# Altium PCB RoBeast_Control_Board_PCB.PcbDoc (part 3 of 3)
Units mm, origin at the board's own origin, x right, y up, seen from the top; angles counter-clockwise.
Board outline 150 x 150 mm, 4 copper layers (SIG, GND1, PWR/SIG/GND2, GND3), stack 0.603 mm thick; 310 components, 148 nets, 806 pads, 385 vias.
Unrouted connection lines stored in the file: 242.
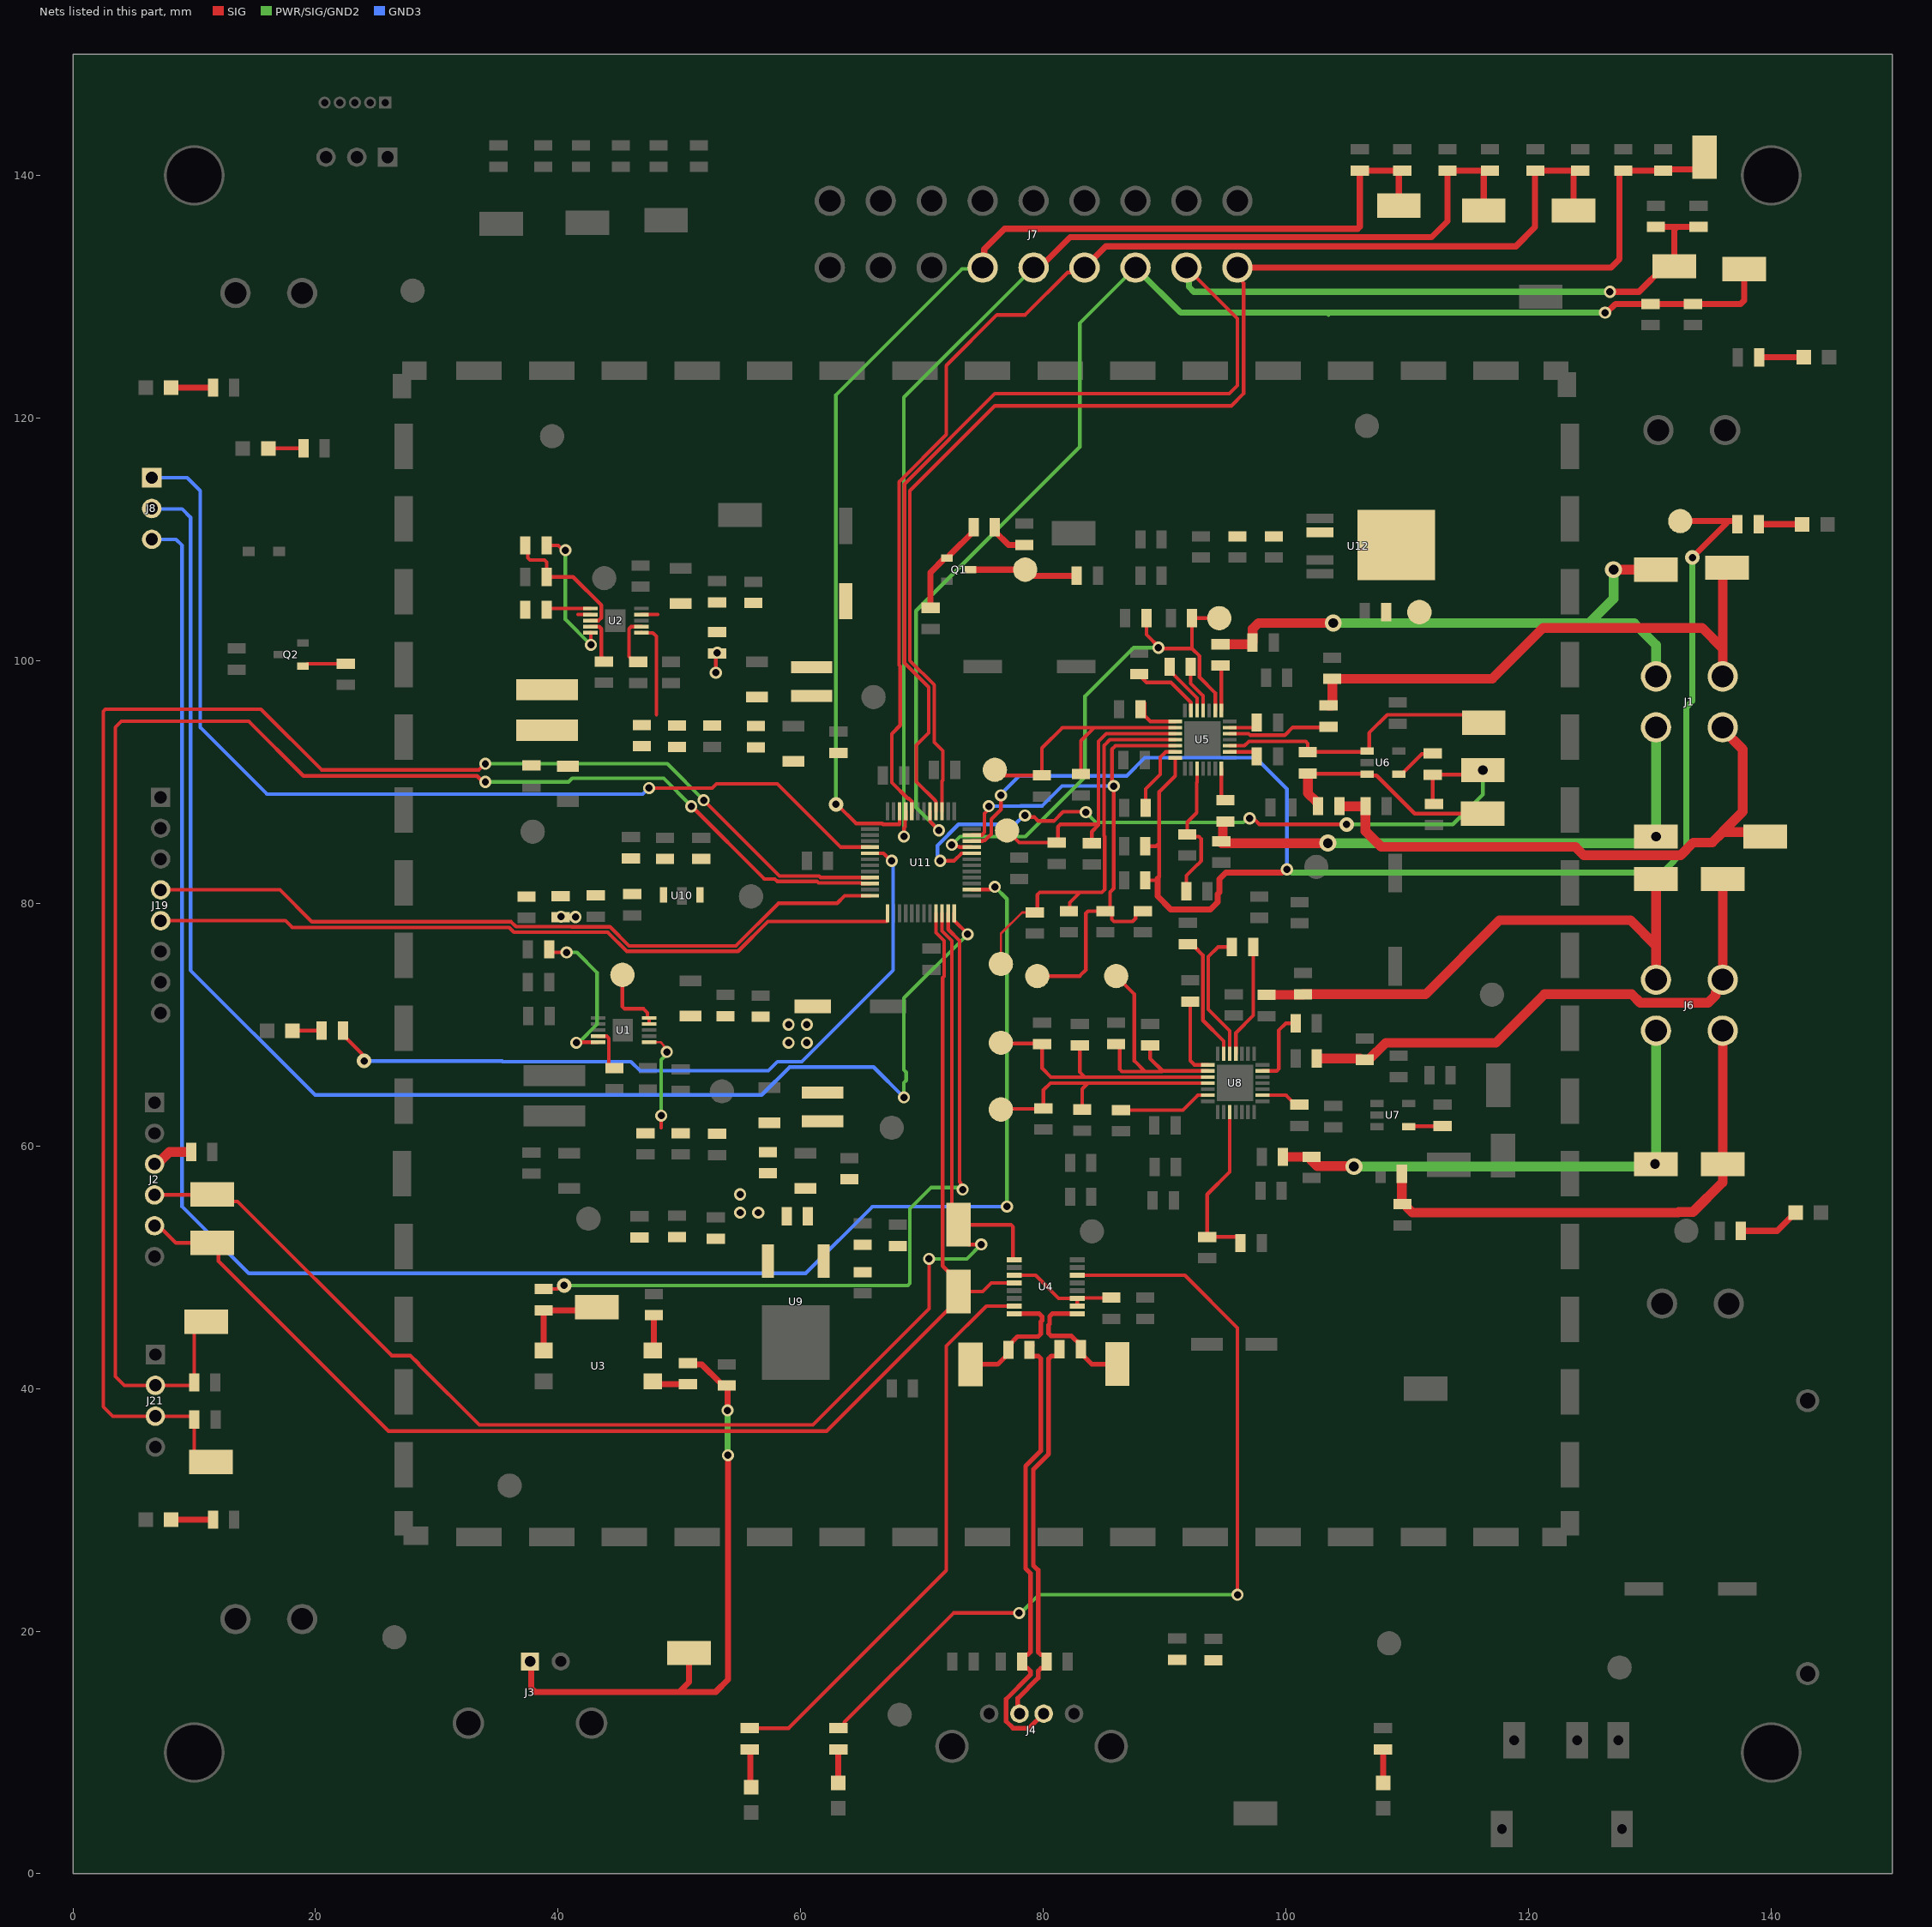
[diagram p5: the nets of this part, all layers, seen from the top]

## Via types
v1: diameter 1, hole 0.6, SIG to GND3, 276 vias
v2: diameter 1.27, hole 0.711, SIG to GND3, 69 vias
v3: diameter 1.2, hole 0.6, SIG to GND3, 29 vias
v4: diameter 1.4, hole 0.8, SIG to GND3, 11 vias

## Nets (pads, with @x,y where several pads share a name; then routed paths per layer and width w, separated by ;. In a path a pad name is that pad's centre, name@x,y a point inside that pad or via, vN(x,y) a via of type N, cw(c..) or ccw(c..) an arc to the next point about the centre after c; other vN are vias at no path point) (continued)
NetC11_1: C11.1 U4.3 U4.10 U4.11 | length 9.5
  SIG w0.3: U4.3@77.6,49.34 79.36,49.34 81.265,47.435 U4.11@82.8,47.435 ; U4.10@82.8,46.8 U4.11@82.8,47.435 ; C11.1@85.6,47.5 85.567,47.468 82.833,47.468 U4.11@82.8,47.435
NetC13_1: C13.1 L3.2 L4.1
NetC14_1: C14.1 L4.2 R13.1
NetC15_2: C15.2 R17.2 R18.1 U1.6 | length 8.4
  SIG w0.2: U1.6@47.494,68.551 48.449,68.551 48.705,68.295 48.705,68.218 48.956,67.967 v1(48.956,67.751)
  SIG w0.3: 48.5,61.5 v1(48.5,62.5)
  PWR/SIG/GND2 w0.3: v1(48.5,62.5) 48.5,67.106 48.956,67.561 v1(48.956,67.751)
NetC16_1: C16.1 C51.1 L5.1 R20.2 R25.1
NetC17_1: C17.1 C19.1 L6.1 NP11.1 NP12.1 R70.1 U2.9 | length 1.3
  SIG w0.3: U2.9@46.867,103.798 48.2,103.798 48.2,103.8
NetC18_1: C18.1 U2.1 | length 3.6
  SIG w0.2: C18.1@39.05,104.2 C18.1@39.147,104.298
  SIG w0.3: C18.1@39.147,104.298 U2.1@42.656,104.298
NetC18_2: C18.2 L5.2 U2.2 | length 1
  SIG w0.3: 41.638,103.798 U2.2@42.656,103.798
NetC20_1: C20.1 L6.2 L7.1
NetC21_1: C21.1 R22.2 U2.3 | length 11.6
  SIG w0.3: R22.2@37.325,109.525 R22.2@37.3,109.5 37.5,109.3 37.5,108.476 37.676,108.3 38.874,108.3 39.05,108.124 C21.1@39.05,106.9 41.23,106.9 43.556,104.574 43.556,103.521 43.335,103.3 42.659,103.3 U2.3@42.656,103.298
NetC22_1: C22.1 U2.7 | length 4.3
  SIG w0.3: C22.1@46.6,99.9 46.275,99.9 45.841,100.334 45.841,102.622 46.016,102.798 U2.7@46.867,102.798
NetC23_1: C23.1 L7.2 R21.1
NetC27_2: C27.2 U8.6 | length 11.2
  SIG w0.15: C27.2@91.316,76.279 91.666,76.629 C27.2@91.914,76.629
  SIG w0.3: C27.2@91.87,76.5 92.368,76.5 93.15,75.718 93.15,70.35 94.866,68.634 U8.6@94.866,67.587
NetC28_1: C28.1 U8.5 | length 11.5
  SIG w0.15: U8.5@95.291,68.087 U8.5@95.366,67.587
  SIG w0.3: U8.5@95.366,67.587 95.366,68.087 95.366,69.485 93.6,71.251 93.6,75.6 94.4,76.4 C28.1@95.55,76.4
NetC28_2: C28.2 U8.4 | length 9.9
  SIG w0.15: U8.4@95.791,68.087 U8.4@95.866,67.587
  SIG w0.3: U8.4@95.866,67.587 95.866,69.317 97.3,70.751 C28.2@97.3,76.4
NetC29_1: C29.1 U8.8 | length 6.9
  SIG w0.15: C29.1@92.1,71.9 C29.1@92.425,71.575
  SIG w0.3: C29.1@92.1,71.9 92.1,67.026 92.449,66.677 U8.8@93.562,66.677
NetC39_1: C39.1 NP14.1 R66.1 U9.3
NetC40_1: C40.1 NP13.1 R71.2 R78.2 U9.1
NetC41_1: C41.1 NP16.1 R67.1 U10.1
NetC42_1: C42.1 NP15.1 R79.2 R80.2 U10.3
NetC51_2: C51.2 R25.2 R26.1 U2.6 | length 7.9
  SIG w0.2: C51.2@49.7,94.75 C51.2@49.8,94.65
  SIG w0.3: U2.6@46.867,102.298 46.87,102.295 47.805,102.295 48.1,102 48.1,95.55
NetC59_2: C59.2 U5.6 | length 6.2
  SIG w0.15: C59.2@87.8,98.8 87.85,98.85 C59.2@87.9,98.9 ; U5.6@92.091,95.968 U5.6@92.166,95.893
  SIG w0.3: C59.2@87.85,98.85 88.5,98.2 90.508,98.2 92.166,96.542 U5.6@92.166,95.893
NetC60_1: C60.1 U5.5 | length 4.6
  SIG w0.15: C60.1@90.35,99.55 C60.1@90.4,99.5
  SIG w0.3: C60.1@90.4,99.5 90.4,99.175 92.666,96.909 U5.5@92.666,95.893
NetC60_2: C60.2 U5.4 | length 4
  SIG w0.3: C60.2@92.15,99.5 92.15,98.117 93.166,97.101 U5.4@93.166,95.893
NetC62_1: C62.1 R88.1 U12.2 | length 0.3
  SIG w0.5: C62.1@99,110.25 C62.1@99.325,110.25
NetC63_1: C63.1 U5.8 | length 3.8
  SIG w0.3: C63.1@88.35,96.5 88.35,95.45 88.818,94.982 U5.8@90.862,94.982
NetJ1_1: J1.1 NP1.2 R27.2 TP8.1 | length 48.7
  SIG w0.8: R27.2@104.4,88 NP1.2@106.55,88 106.55,85.95 107.85,84.65 123.855,84.65 124.555,83.95 132.528,83.95 133.578,85 135.131,85 136,85.869 139.131,85.869 TP8.1@139.5,85.5 ; 136,85.905 137.65,87.555 137.65,92.685 136,94.335 J1.1@136,94.336
NetJ1_2: J1.2 NP2.2 R95.2 TP9.1 | length 47.1
  SIG w0.8: NP2.2@94.674,85.109 94.773,85.109 94.798,85.134 94.798,86.725 94.823,86.75 R95.2@95,86.75 ; NP2.2@94.705,84.955 103.453,84.955 v4(103.457,84.959)
  PWR/SIG/GND2 w0.8: v4(103.457,84.959) 129.797,84.959 130.338,85.5 v4(130.5,85.5) J1.2@130.5,94.624
NetJ1_3: J1.3 NP3.2 R96.2 TP11.1 | length 46.2
  SIG w0.8: R96.2@103.5,96.3 103.789,96.3 103.814,96.325 NP3.2@103.814,98.5 117,98.5 121.2,102.7 134.3,102.7 136,101 ; J1.3@136,98.7 136,101 ; TP11.1@136.369,107.661 136,107.292 136,101
NetJ1_4: J1.4 NP4.2 R97.2 TP10.1 | length 49.4
  SIG w0.8: R97.2@94.6,101.35 97.208,101.35 97.233,101.375 NP4.2@97.233,101.485 97.258,101.51 97.258,102.631 97.727,103.1 v4(103.9,103.1) ; v4(127,107.5) TP10.1@130.5,107.5
  PWR/SIG/GND2 w0.8: v4(103.9,103.1) 125,103.1 ; v4(127,107.5) 127,105.1 125,103.1 ; J1.4@130.5,98.7 130.5,101.3 128.7,103.1 125,103.1
NetJ2_3: J2.3 R6.2 | length 3.4
  SIG w0.8: J2.3@6.729,58.5 6.945,58.5 7.945,59.5 R6.2@9.75,59.5
NetJ3_1: J3.1 NP17.2 R46.2 TP2.1 | length 50.8
  SIG w0.5: J3.1@37.68,17.5 37.793,17.387 37.793,15.293 38.086,15 50,15 ; R46.2@50.7,42.1 50.805,41.995 51.83,41.995 53.4,40.425 53.575,40.25 NP17.2@53.9,40.25 53.958,40.192 v1(53.958,38.196) ; TP2.1@50.8,18.2 50.8,15.8 50,15 ; v1(54,34.5) 54.006,34.494 54.006,16.006 53,15 50,15
  PWR/SIG/GND2 w0.5: v1(53.958,38.196) 53.979,38.175 53.979,34.521 v1(54,34.5)
NetJ6_1: J6.1 NP5.2 R98.2 TP12.1 | length 42.9
  SIG w0.8: R98.2@109.55,57.7 109.55,55.284 109.55,55.225 109.575,55.2 109.925,55.2 109.95,55.175 109.95,54.969 110.419,54.5 132.308,54.5 132.358,54.55 133.55,54.55 136,57 136,59 136,60 J6.1@136,69.5 J6.1@136,69.507
NetJ6_2: J6.2 NP6.2 R99.2 TP13.1 | length 41.8
  SIG w0.8: R99.2@99.75,59.1 NP6.2@101.8,59.1 ; NP6.2@102.1,59.1 102.1,58.794 102.569,58.325 105.575,58.325 v4(105.6,58.3)
  PWR/SIG/GND2 w0.8: v4(105.6,58.3) 130.046,58.3 130.258,58.512 v4(130.42,58.512) ; v4@130.5,58.5 J6.2@130.5,69.344
NetJ6_3: J6.3 NP7.2 R100.2 TP14.1 | length 45.2
  SIG w0.8: R100.2@102.55,67.2 106.075,67.2 106.175,67.1 106.825,67.1 106.85,67.125 106.85,67.131 108.219,68.5 117.3,68.5 121.3,72.5 128.5,72.5 129.2,71.8 134.8,71.8 135.418,72.418 135.418,72.658 J6.3@136.083,73.323 ; J6.3@136,73.7 TP14.1@136,82
NetJ6_4: J6.4 NP8.2 R101.2 TP15.1 | length 44.1
  SIG w0.8: R101.2@98.4,72.45 NP8.2@101.4,72.45 ; NP8.2@101.4,72.5 111.5,72.5 117.6,78.6 128.4,78.6 130.5,76.5 ; J6.4@130.5,73.446 J6.4@130.5,73.7 130.5,76.5 ; TP15.1@130.5,82 130.5,76.5
NetL1_1: L1.1 R8.2 | length 0
  SIG w0.6: L1.1@91,17.606 L1.1@91.031,17.638
NetLED1_1: LED1.1 R4.2 | length 3.5
  SIG w0.5: LED1.1@8.1,29.2 R4.2@11.55,29.2
NetLED2_1: LED2.1 R5.2 | length 2.7
  SIG w0.5: LED2.1@108,7.5 R5.2@108,10.25
NetLED3_1: LED3.1 R7.2 | length 3.6
  SIG w0.5: R7.2@138.963,111.245 LED3.1@142.547,111.245
NetLED4_1: LED4.1 R9.2 | length 5.1
  SIG w0.5: R9.2@137.5,53 140.5,53 LED4.1@142,54.5
NetLED5_1: LED5.1 R57.2 | length 3.7
  SIG w0.5: R57.2@139.148,125 LED5.1@142.817,125
NetLED6_1: LED6.1 R11.2 | length 3.1
  SIG w0.5: LED6.1@55.847,7.202 R11.2@55.847,10.202
  SIG w0.6: LED6.1@55.85,7.55 LED6.1@55.9,7.5
NetLED7_1: LED7.1 R12.2 | length 2.7
  SIG w0.5: LED7.1@63.1,7.5 R12.2@63.1,10.25
NetLED8_1: LED8.1 R58.2 | length 3.5
  SIG w0.5: LED8.1@8.1,122.5 R58.2@11.55,122.5
NetLED9_1: LED9.1 R107.2 | length 2.9
  SIG w0.3: LED9.1@16.1,117.5 R107.2@19,117.5
NetLED10_1: LED10.1 R108.2 | length 2.4
  SIG w0.3: LED10.1@18.1,69.5 R108.2@20.5,69.5
NetQ1_1: Q1.1 R93.2 R94.1 | length 7.9
  SIG w0.5: R94.1@70.701,104.354 70.701,107.276 71.875,108.45 Q1.1@72.05,108.45 ; Q1.1@72.275,108.7 74.25,110.675 R93.2@74.25,111
NetQ1_3: Q1.3 R92.2 TP58.1 | length 8.8
  SIG w0.5: Q1.3@74,107.5 TP58.1@78.5,107.5 ; TP58.1@78.5,107 R92.2@82.75,107
NetQ2_1: Q2.1 R106.2 | length 3.6
  SIG w0.3: Q2.1@18.95,99.55 19.125,99.55 19.325,99.75 R106.2@22.5,99.75
NetR2_2: R2.2 TP1.1 U3.1 | length 7.8
  SIG w0.5: U3.1@38.8,43.14 R2.2@38.8,46.45 42.95,46.45 TP1.1@43.2,46.7
NetR3_2: R3.2 R93.1 | length 3.2
  SIG w0.2: R93.1@76,110.675 R93.1@76,111
  SIG w0.5: R93.1@76,110.675 77.134,109.541 R3.2@78.426,109.541
NetR14_1: R14.1 U1.5 | length 13.2
  SIG w0.3: R14.1@39.25,76.2 39.501,75.949 v1(40.694,75.949) ; v1(41.5,68.5) 41.548,68.548 43.28,68.548 U1.5@43.283,68.551
  PWR/SIG/GND2 w0.3: v1(40.694,75.949) 41.551,75.949 43.2,74.3 43.2,70.011 41.689,68.5 v1(41.5,68.5)
NetR15_1: R15.1 U1.4 | length 4.2
  SIG w0.15: R15.1@44.648,66.419 R15.1@44.948,66.719
  SIG w0.3: U1.4@43.283,69.051 43.286,69.048 44.012,69.048 44.187,68.873 44.187,66.694 44.462,66.419 R15.1@44.648,66.419
NetR22_1: R22.1 U2.5 | length 11.5
  SIG w0.15: U2.5@42.579,102.22 U2.5@42.656,102.298
  SIG w0.3: R22.1@39.05,109.5 40.011,109.5 40.411,109.1 v1(40.6,109.1) ; U2.5@42.656,102.298 42.697,102.298 42.7,102.295 v1(42.7,101.3)
  PWR/SIG/GND2 w0.3: v1(40.6,109.1) 40.6,103.4 v1(42.7,101.3)
NetR24_1: R24.1 U2.4 | length 4.5
  SIG w0.15: R24.1@43.43,99.92 43.78,100.27 R24.1@43.605,100.095
  SIG w0.3: U2.4@42.656,102.798 42.659,102.795 43.385,102.795 43.56,102.619 43.56,100.14 43.605,100.095 43.741,99.959 R24.1@43.78,99.92
NetR28_1: R28.1 U5.27 | length 2.4
  SIG w0.3: U5.27@95.362,94.482 97.325,94.482 97.6,94.757 R28.1@97.6,94.851
NetR31_1: R31.1 U5.23 | length 2.5
  SIG w0.3: U5.23@95.362,92.482 97.325,92.482 97.6,92.207 R31.1@97.6,92.1
NetR34_2: R34.2 R38.1 TP41.1 U5.11 | length 33.2
  SIG w0.2: TP41.1@76.5,75 76.5,77.5 78.25,79.25 R38.1@79.3,79.25
  SIG w0.3: R38.1@79.3,79.25 79.5,79.45 79.5,80.7 79.7,80.9 83.023,80.9 ; R34.2@82.1,79.35 82.172,79.422 82.172,80.049 83.023,80.9 ; U5.11@90.862,93.482 85.482,93.482 85,93 85,85.549 85.05,85.499 85.05,81.126 84.824,80.9 83.023,80.9
NetR35_1: R35.1 U5.13 | length 6.1
  SIG w0.3: R35.1@88.424,87.864 88.424,89.424 89.628,90.628 89.628,92.028 90.082,92.482 U5.13@90.862,92.482
NetR36_1: R36.1 U8.27 | length 6.2
  SIG w0.3: U8.27@98.062,66.177 99.224,66.177 99.4,66.352 99.4,69.513 99.987,70.1 R36.1@100.8,70.1
NetR37_1: R37.1 U8.23 | length 3.4
  SIG w0.3: U8.23@98.062,64.177 99.998,64.177 100.775,63.4 R37.1@101.1,63.4
NetR39_2: R39.2 R41.1 TP39.1 U5.9 | length 21.6
  SIG w0.3: TP39.1@76.5,90.5 76.525,90.525 79.848,90.525 R41.1@79.873,90.551 79.873,92.793 81.563,94.482 84.182,94.482 ; R39.2@83.1,90.65 83.1,93.4 84.182,94.482 ; U5.9@90.862,94.482 84.182,94.482
NetR40_1: R40.1 U8.13 | length 7.7
  SIG w0.3: R40.1@86.4,62.95 91.504,62.95 92.731,64.177 U8.13@93.562,64.177
NetR42_2: R42.2 R43.1 TP40.1 U5.10 | length 24.5
  SIG w0.3: TP40.1@77,86 78,85 R42.2@81.1,85 81.2,85.1 81.2,86.3 81.4,86.5 84.55,86.5 ; R43.1@84,84.95 84,85.9 84.55,86.45 84.55,93.35 85.182,93.982 U5.10@90.862,93.982
NetR46_1: R46.1 U3.3 | length 3
  SIG w0.3: U3.3@47.8,40.6 U3.3@48.05,40.35
  SIG w0.5: U3.3@48.05,40.35 R46.1@50.7,40.35
NetR48_1: R48.1 R49.2 U5.17 | length 11.9
  SIG w0.3: R48.1@91.783,80.996 91.783,82.283 92.706,83.206 92.738,83.206 92.914,83.382 92.914,83.414 93,83.5 93,85.324 92.824,85.5 92.045,85.5 R49.2@91.864,85.681 91.864,86.686 92.639,87.461 92.639,89.958 92.666,89.985 U5.17@92.666,91.093
NetR50_1: R50.1 R56.2 U8.17 | length 14.1
  SIG w0.3: U8.17@95.366,62.787 95.366,57.866 93.5,56 R50.1@93.5,52.5 93.825,52.5 95.975,52.5 96.25,52.225 R56.2@96.25,52
NetR68_2: R68.2 R69.1 TP46.1 U8.11 | length 21.5
  SIG w0.15: R68.2@83.2,63 R68.2@83.4,63.2
  SIG w0.3: TP46.1@76.5,63 76.55,63.05 79.95,63.05 R69.1@80,63.1 80,64.6 80.577,65.177 83.677,65.177 ; R68.2@83.2,63 83.2,64.7 83.677,65.177 ; U8.11@93.562,65.177 83.677,65.177
NetR74_2: R74.2 R75.1 TP44.1 U8.9 | length 21
  SIG w0.3: R75.1@86,68.4 86.025,68.4 86.3,68.125 86.3,66.302 86.476,66.127 88.373,66.127 ; TP44.1@86,74 87.5,72.5 87.5,67 88.373,66.127 ; R74.2@88.8,68.3 88.8,67.2 89.823,66.177 ; U8.9@93.562,66.177 89.823,66.177 ; 88.373,66.127 89.773,66.127 89.823,66.177
NetR76_2: R76.2 R77.1 TP45.1 U8.10 | length 22.3
  SIG w0.15: U8.10@93.5,65.738 U8.10@93.562,65.677
  SIG w0.3: TP45.1@76.5,68.5 76.55,68.45 79.85,68.45 R77.1@79.9,68.4 79.9,66.4 80.623,65.677 83.423,65.677 ; R76.2@83,68.3 83,66.1 83.423,65.677 ; U8.10@93.562,65.677 83.423,65.677
NetR81_1: R81.1 U3.4 | length 3
  SIG w0.3: U3.4@47.8,43.14 U3.4@47.9,43.24
  SIG w0.5: U3.4@47.9,43.24 R81.1@47.9,46.05
NetR83_1: R83.1 U6.4 | length 3.5
  SIG w0.3: U6.4@109.3,90.65 109.55,90.65 111.2,92.3 112.05,92.3 R83.1@112.1,92.35
NetR85_1: R85.1 U7.4 | length 2.8
  SIG w0.3: U7.4@110.1,61.6 110.125,61.625 112.875,61.625 R85.1@112.9,61.65
NetR87_1: R87.1 TP55.1 U12.6
PGC: J19.5 U11.37 | length 62.6
  SIG w0.3: J19.5@7.237,78.566 17.52,78.566 18.086,78 35.964,78 36.349,77.616 44.084,77.616 45.662,76.038 54.838,76.038 57.3,78.5 67.076,78.5 67.15,78.574 U11.37@67.15,79.174
PGD: J19.4 U11.36 | length 62.1
  SIG w0.3: J19.4@7.237,81.106 17.075,81.106 19.708,78.473 36.128,78.473 36.526,78.075 41.09,78.075 41.099,78.066 44.27,78.066 45.848,76.488 54.651,76.488 58.164,80 63,80 63.624,80.624 U11.36@65.7,80.624
r_CURRENT: C56.1 R83.2 TP51.1 U11.8 | length 61.2
  SIG w0.3: v1(71.5,83.5) 72.633,83.5 73.257,84.124 U11.8@74.1,84.124 ; v1(78.482,87.231) 78.616,87.097 79.266,87.097 79.582,86.781 80.871,86.781 81.63,87.541 83.459,87.541 v1(83.5,87.5) ; v1(97,87) 97.134,86.866 97.432,86.866 97.798,86.5 v3(105,86.5) ; C56.1@112.2,88.2 112.1,88.3 R83.2@112.1,90.6 115.849,90.6 v4(116.227,90.978)
  PWR/SIG/GND2 w0.3: v1(83.5,87.5) 84.331,86.669 96.479,86.669 96.811,87 v1(97,87) ; v3(105,86.5) 113.759,86.5 116.227,88.968 v4(116.227,90.978)
  GND3 w0.3: v1(71.5,83.5) 71.5,83.689 71.268,83.921 71.268,84.763 73.005,86.5 77.658,86.5 78.389,87.231 v1(78.482,87.231)
R_LED: R108.1 U11.29 | length 61.5
  SIG w0.3: R108.1@22.25,69.5 22.25,69.175 23.828,67.597 23.828,67.172 v3(24,67) ; U11.29@65.7,84.124 66.816,84.124 67.44,83.5 v1(67.5,83.5)
  GND3 w0.3: v3@24.232,67 35.373,67 35.423,66.95 46.002,66.95 46.752,66.2 57.331,66.2 58.081,66.95 60.081,66.95 67.612,74.481 67.612,83.388 v1(67.5,83.5)
rENBL: R29.1 R30.2 TP37.1 U5.2 U11.9 | length 45.6
  SIG w0.3: v1(72.454,84.818) 72.588,84.684 73.014,84.684 73.074,84.624 U11.9@74.1,84.624 ; R30.2@88.5,103.5 88.5,102.15 89.651,100.999 92.25,100.999 ; U5.2@94.166,95.893 94.166,97.335 92.875,98.626 92.875,100.374 92.25,100.999 ; TP37.1@94.5,103.5 R29.1@92.25,103.5 92.25,100.999
  PWR/SIG/GND2 w0.3: v1(72.454,84.818) 73.136,85.5 78.519,85.5 83.435,90.416 83.435,97.066 87.435,101.067 v1(89.489,101.067)
rRES: R91.1 R102.1 TP57.1 U5.12 U11.11 | length 48.1
  SIG w0.3: U11.11@74.1,85.624 74.924,85.624 75.15,85.85 75.15,87.406 75.5,87.756 v1(75.5,88) ; TP57.1@79.5,74 83,74 83.5,74.5 83.5,79.174 83.676,79.35 R91.1@85.1,79.35 85.362,79.35 85.637,79.075 85.637,78.676 85.813,78.5 87.35,78.5 87.6,78.75 87.6,79.075 87.875,79.35 R102.1@88.2,79.35 ; R91.1@85.249,79.35 85.5,79.601 85.5,80.914 85.8,81.214 v1(85.8,89.66) ; v1@85.65,89.66 85.65,92.686 85.947,92.982 U5.12@90.862,92.982
  GND3 w0.3: v1(75.5,88) 78.119,88 78.151,88.031 79.918,88.031 81.547,89.66 v1(85.8,89.66)
rSLP: R7.1 R32.1 R33.1 TP38.1 U5.14 U11.10 | length 132.8
  SIG w0.3: U11.10@74.1,85.124 74.983,85.124 75.033,85.174 75.174,85.174 75.7,85.7 75.7,86.927 76.5,87.727 v1(76.5,88.9) ; R33.1@88.4,81.9 89.3,81.9 89.425,82.025 89.55,82.15 89.55,84.95 ; R32.1@88.4,84.7 89.3,84.7 89.55,84.95 ; U5.14@90.862,91.982 90.862,90.5 89.55,89.188 89.55,84.95
  SIG w0.5: 89.425,82.025 89.425,80.575 90.5,79.5 93.778,79.5 94.358,80.081 94.358,80.773 94.5,80.914 94.5,82 95.034,82.534 99.677,82.534 99.939,82.796 v1(100.074,82.796) ; TP38.1@132.5,111.5 137.213,111.5 R7.1@137.213,111.245 ; v3(133.5,108.5) 136.325,111.325
  PWR/SIG/GND2 w0.5: v1(100.074,82.796) 100.21,82.796 100.471,82.535 131.035,82.535 133,84.5 133,96.155 133.5,96.655 v3(133.5,108.5)
  GND3 w0.3: v1(76.5,88.9) 76.5,89 78,90.5 86.869,90.5 88.369,92 97.5,92 100.074,89.426 v1(100.074,82.796)
rSTEPPER_1A: R27.1 R82.2 TP50.1 U6.3 | length 18.9
  SIG w0.3: R82.2@101.8,90.7 101.825,90.675 106.675,90.675 106.818,90.532 107.468,90.532 110.609,87.391 TP50.1@116.216,87.391
  SIG w0.8: R82.2@101.8,90.7 101.8,89.075 102.525,88.35 102.625,88.35 102.65,88.325 R27.1@102.65,88
rSTEPPER_1A_CURRENT_SENSE: R82.1 TP49.1 U5.24 U6.1 | length 24.2
  SIG w0.3: U5.24@95.362,92.982 96.582,92.982 96.95,93.35 101.624,93.35 101.8,93.174 R82.1@101.8,92.45 101.825,92.475 106.675,92.475 U6.1@106.7,92.5 ; U6.1@106.7,92.55 106.706,92.55 106.856,92.7 106.856,94.039 108.348,95.531 115.656,95.531 TP49.1@116.298,94.889
rSTEPPER_1B: R95.1 U5.21 | length 2.4
  SIG w0.15: U5.21@94.591,91.018 U5.21@94.666,91.093
  SIG w0.3: U5.21@94.666,91.093 94.666,88.834 R95.1@94.7,88.8
rSTEPPER_2A: R96.1 U5.26 | length 8.6
  SIG w0.3: U5.26@95.362,93.982 96.918,93.982 97.051,93.85 99.899,93.85 100.549,94.5 R96.1@103.6,94.5
  SIG w0.6: R96.1@103.6,94.5 R96.1@103.601,94.501
rSTEPPER_2B: R97.1 U5.1 | length 4.2
  SIG w0.15: R97.1@94.132,99.6 R97.1@94.6,99.6
  SIG w0.3: U5.1@94.666,95.893 R97.1@94.666,99.578
RX_LED: R12.1 U4.14 | length 74.8
  SIG w0.3: R12.1@63.1,12 63.425,12 63.6,12.175 63.6,12.5 72.6,21.5 v1(78,21.5) ; U4.14@82.808,49.332 91.668,49.332 96,45 v1@96,22.787
  PWR/SIG/GND2 w0.3: v1(78,21.5) 78.131,21.5 79.631,23 v1@95.949,23
  other v1: 96,23
SCL: J21.2 R105.2 TP47.1 U11.34 | length 134.1
  SIG w0.3: TP47.1@11,45.5 10.85,45.5 10,44.65 R105.2@10,40.5 9.76,40.26 J21.2@6.8,40.26 4.24,40.26 3.5,41 3.5,94.5 4,95 14.5,95 19,90.5 33.311,90.5 33.811,90 v1(34,90) ; v1(50.971,87.986) 51.014,87.986 57,82 57.864,82 58.064,81.8 61.331,81.8 61.457,81.674 64.962,81.674 65.012,81.624 U11.34@65.7,81.624
  PWR/SIG/GND2 w0.3: v1(34,90) 40.86,90 41.16,90.3 48.7,90.3 50.971,88.029 v1(50.971,87.986)
SDA: J21.3 R59.2 TP48.1 U11.33 | length 139.1
  SIG w0.3: TP48.1@11.393,33.943 10.858,33.943 10.008,34.793 R59.2@10.008,37.446 9.733,37.72 J21.3@6.8,37.72 3.28,37.72 2.5,38.5 2.5,95.824 2.676,96 15.5,96 20.5,91 33.474,91 33.974,91.5 v1(34,91.5) ; v1(52,88.5) 58.25,82.25 61.518,82.25 61.643,82.124 U11.33@65.7,82.124
  PWR/SIG/GND2 w0.3: v1(34,91.5) 49,91.5 v1(52,88.5)
SPARE_1: J8.1 U11.28 | length 83.9
  SIG w0.3: v1(47.5,89.5) 52.704,89.5 53.054,89.85 58.069,89.85 63.294,84.624 U11.28@65.7,84.624
  GND3 w0.3: J8.1@6.5,115.08 9.42,115.08 10.5,114 10.5,94.5 16,89 46.974,89 47.474,89.5 v1(47.5,89.5)
SPARE_2: J8.2 U11.48 | length 124.1
  SIG w0.3: U11.48@72.65,79.174 72.65,78.574 73.751,77.473 v1(73.751,77.44)
  PWR/SIG/GND2 w0.3: v1(68.5,64) 68.5,65.209 68.695,65.405 68.695,66.067 68.5,66.263 68.5,72.189 v1(73.751,77.44)
  GND3 w0.3: J8.2@6.193,112.5 9,112.5 9.693,111.807 9.693,74.479 19.972,64.2 56.783,64.2 59.083,66.5 66,66.5 v1(68.5,64)
SPARE_3: J8.3 U11.2 | length 158.5
  SIG w0.3: U11.2@74.1,81.124 75.585,81.124 75.811,81.35 v1(76,81.35)
  PWR/SIG/GND2 w0.3: v1(76,81.35) 77,80.35 v1(77,55)
  GND3 w0.3: J8.3@6.5,110 8.5,110 9,109.5 9,55 14.5,49.5 60.405,49.5 65.905,55 v1(77,55)
SW_IN_FILTER: C5.1 C12.1 L3.1 NP9.1 NP10.1 R70.2 R71.1 R79.1 TP33.1 U1.9 U1.10 | length 8.8
  SIG w0.3: R79.1@40.2,78.85 R79.1@40.282,78.932 ; TP33.1@45.3,74.1 45.3,71.476 45.476,71.3 47.045,71.3 47.367,70.978 U1.10@47.367,70.553 ; U1.9@47.494,70.051 U1.10@47.494,70.551 ; v1(53,99) 53,100.5 R70.2@53.1,100.6
  SIG w0.5: R79.1@40.282,78.932 40.357,78.858 41.423,78.858 v1(41.431,78.866)
  other v1: 55,54.5 56.5,54.5 55,56 59,68.5 60.5,68.5 59,70 60.5,70 40.241,78.891 53.111,100.648
TILT_1: C32.1 J7.1 R53.1 TP17.1 U11.15 | length 115
  SIG w0.3: U11.15@71.65,87.574 71.65,90.067 71.708,90.126 71.708,92.573 71,93.281 71,98 69,100 69,114 76,121 95.5,121 96.5,122 96.5,131.124 96.415,131.209 96.415,131.979 J7.1@95.994,132.4
  SIG w0.5: J7.1@95.994,132.4 126.8,132.4 127.5,133.1 127.5,140.225 127.675,140.4 C32.1@127.8,140.4 R53.1@131.1,140.4 131.2,140.5 TP17.1@134.5,140.5
TILT_2: C33.1 J7.2 R54.1 TP18.1 U11.16 | length 120.9
  SIG w0.3: U11.16@71.15,87.574 71.15,88.382 71.1,88.432 71.1,88.449 69.522,90.026 69.522,93.022 70.55,94.05 70.55,97.814 68.55,99.814 68.55,114.55 76,122 95.324,122 96,122.676 96,128.194 J7.2@91.794,132.4 ; v1(126.7,130.4) v1@126.8,130.5 ; TP18.1@131.2,132.5 TP18.1@132,132.5
  SIG w0.5: v1(126.7,130.4) 129.1,130.4 TP18.1@131.2,132.5 ; C33.1@130.5,135.75 132.25,135.75 ; TP18.1@132,132.5 132,135.5 132.25,135.75 ; R54.1@134,135.75 132.25,135.75
  PWR/SIG/GND2 w0.3: J7.2@91.794,132.4 J7.2@92,132.194
  PWR/SIG/GND2 w0.5: J7.2@92,132.194 92,130.8 92.4,130.4 v1(126.7,130.4)
TILT_3: C34.1 J7.3 R55.1 TP19.1 U11.17 | length 111.5
  SIG w0.3: U11.17@70.65,87.574 70.65,86.75 v1(71.387,86.013) ; R55.1@129.946,129.299 R55.1@130.045,129.398
  SIG w0.5: v1(126.301,128.68) 126.436,128.68 127.154,129.398 129.847,129.398 R55.1@129.946,129.299 ; R55.1@130.045,129.398 C34.1@133.545,129.398 137.473,129.398 137.766,129.691 TP19.1@137.766,132.273
  PWR/SIG/GND2 w0.3: v1(71.387,86.013) 69.5,87.9 69.5,104.105 83,117.605 83,127.806 J7.3@87.594,132.4 J7.3@87.797,132.197 ; 103.5,128.5 103.5,128.68
  PWR/SIG/GND2 w0.5: J7.3@87.797,132.197 91.314,128.68 103.5,128.68 v1(126.301,128.68)
TILT_4: C35.1 J7.4 R60.1 TP21.1 U11.20 | length 104.5
  SIG w0.3: U11.20@69.15,87.574 69.15,88.399 68.924,88.624 68.831,88.624 67.5,89.956 67.5,93.966 68.2,94.666 68.2,99.527 68.1,99.627 68.1,114.736 72,118.636 72,124.322 76.178,128.5 78.5,128.5 81.995,131.995 82.989,131.995 J7.4@83.394,132.4
  SIG w0.5: J7.4@83.394,132.4 85.144,134.15 118.95,134.15 120.535,135.735 C35.1@120.535,140.212 ; C35.1@120.558,140.4 R60.1@123.933,140.4 ; TP21.1@123.894,136.906 TP21.1@123.7,137.1 123.7,140.167 R60.1@123.933,140.4 ; R60.1@124.258,140.4 R60.1@123.933,140.4
TILT_5: C36.1 J7.5 R61.1 TP22.1 U11.21 | length 100.2
  SIG w0.3: v1(68.5,85.5) 68.515,85.515 68.515,86.229 68.6,86.314 68.6,86.836 68.65,86.886 U11.21@68.65,87.574 ; J7.5@79.194,132.4 J7.5@79.7,132.4
  SIG w0.5: J7.5@79.7,132.4 82.2,134.9 112,134.9 113.314,136.214 C36.1@113.314,140.233 ; C36.1@113.314,140.4 R61.1@116.489,140.4 ; TP22.1@116.394,137.006 TP22.1@116.3,137.1 116.3,140.211 R61.1@116.489,140.4 ; R61.1@116.814,140.4 R61.1@116.489,140.4
  PWR/SIG/GND2 w0.3: v1(68.5,85.5) 68.5,121.706 J7.5@79.194,132.4
TILT_6: C37.1 J7.6 R62.1 TP23.1 U11.22 | length 101.6
  SIG w0.3: v3(62.901,88.152) 62.984,88.152 64.562,86.574 66.711,86.574 66.785,86.5 68.15,86.5 U11.22@68.15,87.574 ; J7.6@74.994,132.4 J7.6@75.124,132.53 ; 105.909,135.6 106.085,135.776
  SIG w0.5: J7.6@75.124,132.53 75.124,133.924 76.8,135.6 105.909,135.6 ; 106.085,135.776 C37.1@106.085,140.233 ; C37.1@106.085,140.4 R62.1@109.475,140.4 ; TP23.1@109.406,137.606 TP23.1@109.3,137.5 109.3,140.225 R62.1@109.475,140.4 ; R62.1@109.585,140.4 R62.1@109.475,140.4
  PWR/SIG/GND2 w0.3: v3(62.901,88.152) 62.901,121.901 73.294,132.294 74.888,132.294 J7.6@74.994,132.4
TX_LED: R11.1 U4.7 | length 47
  SIG w0.3: R11.1@55.901,12 59,12 72,25 72,43.5 75.3,46.8 U4.7@77.6,46.8
uC_RX: J2.4 TP3.1 TP25.1 U4.1 U11.46 | length 121
  SIG w0.3: J2.4@6.729,55.96 11.46,55.96 TP25.1@11.5,56 12.074,55.426 13.574,55.426 26.283,42.717 27.822,42.717 28.5,42.039 28.5,42 33.5,37 61,37 70.575,46.575 v1(70.575,50.687) ; U11.46@71.65,79.174 71.65,77.714 72.45,76.914 72.45,54.05 TP3.1@73,53.5 TP3.1@73.5,53.5 ; v1(74.875,51.875) 73.85,51.875 73.5,52.225 TP3.1@73.5,53.5 ; U4.1@77.6,50.61 77.56,50.61 77.5,50.67 77.5,53.324 77.324,53.5 TP3.1@73.5,53.5
  PWR/SIG/GND2 w0.3: v1(70.575,50.687) 73.687,50.687 v1(74.875,51.875)
uC_TX: J2.5 TP4.1 TP26.1 U4.4 U11.45 | length 116
  SIG w0.3: J2.5@6.729,53.42 7.08,53.42 8.5,52 TP26.1@11.5,52 12,51.5 12,50.5 26.009,36.491 62.141,36.491 73,47.35 TP4.1@73,48 ; U11.45@71.15,79.174 71.15,77.577 71.824,76.903 71.824,73.973 71.7,73.848 71.7,50.1 73,48.8 TP4.1@73,48 ; U4.4@77.6,48.705 75.705,48.705 75,48 TP4.1@73,48
USB_IN_N: C6.2 J4.2 R10.1 | length 32.9
  SIG w0.381: J4.2@78.03,13.2 77.891,13.339 77.891,14.463 79.568,16.139 79.568,16.717 79.791,16.94 80.016,16.94 80.25,17.175 C6.2@80.25,17.5 80.25,17.825 80.016,18.06 79.791,18.06 79.568,18.283 79.568,25.027 79.167,25.427 79.167,33.342 80.436,34.611 80.436,42.457 80.659,42.68 81.099,42.68 81.334,42.914 R10.1@81.334,43.239
USB_IN_P: C7.2 J4.3 R47.1 | length 37.9
  SIG w0.381: R47.1@79.097,43.55 78.862,43.315 R47.1@78.862,43.198 78.862,42.914 79.097,42.68 79.578,42.68 79.801,42.457 79.801,34.874 78.532,33.605 78.532,25.164 78.933,24.764 78.933,18.283 78.709,18.06 78.484,18.06 78.25,17.825 C7.2@78.25,17.5 78.25,17.175 78.484,16.94 78.709,16.94 78.933,16.717 78.933,16.402 76.927,14.397 76.927,12.573 77.5,12 78.83,12 J4.3@80.03,13.2
USB_N: R10.2 TP6.1 U4.9 | length 10.9
  SIG w0.381: U4.9@82.8,46.165 80.741,46.165 80.517,45.942 80.517,45.328 80.424,45.234 80.424,44.553 80.647,44.33 82.318,44.33 83.084,43.564 R10.2@83.084,43.239 83.084,42.914 83.987,42.011 TP6.1@86.098,42.011
USB_P: R47.2 TP5.1 U4.8 | length 11.1
  SIG w0.381: TP5.1@74,42 76.239,42 77.112,42.873 R47.2@77.112,43.198 77.112,43.523 77.878,44.288 79.566,44.288 79.789,44.512 79.789,45.498 79.882,45.591 79.882,45.942 79.659,46.165 U4.8@77.6,46.165
VNA_SIG: R2.1 U11.47 | length 65
  SIG w0.3: R2.1@38.8,48.2 39.956,48.2 40.256,48.5 v3(40.5,48.5) ; U11.47@72.15,79.174 72.15,77.85 73.1,76.9 73.1,57.027 73.178,56.949 73.178,56.573 v1(73.35,56.401)
  PWR/SIG/GND2 w0.3: v3(40.5,48.5) 68.824,48.5 69,48.676 69,54.824 70.75,56.574 72.724,56.574 73.178,56.573 v1(73.35,56.401)
pads on no net: J2.2 J2.6 J5.S1 J5.S2 J18.2 J19.6 J19.7 J19.8 U4.2 U4.6 U4.15 U4.16 U5.7 U5.20 U5.25 U8.7 U8.20 U8.25

## Polygon pours and split planes (outlines as drawn)
3V3 on PWR/SIG/GND2 "3V3" (solid, pour order 216): 2.608,147.517 147.608,147.517 147.608,2.017 2.608,2.017
"AC/DC IN" on PWR/SIG/GND2 "NONET_L-01_P-001" (solid, pour order 215): 129.2,50.2 129.2,50 134.5,50 134.5,44.208 147.605,44.208 147.605,14.4 128.75,14.4 128.75,2.05 112,2.05 112,22 144.5,22 144.5,42 129.091,42
CCT_24V on PWR/SIG/GND2 "CCT_24V_L03_P191" (solid, pour order 191): 35,82.974 35,44 101,44 101,31.385 143.662,31.385 143.662,41 128.5,41 128.5,49 143.5,49 143.5,122.23 134.223,122.23 134.223,52.5 114,52.5 114,97.5 95.5,97.5 95.5,52 80,52 80,101.5 64.306,101.5 64.306,56 64.342,56 64.342,46.5 37.4,46.5 37.4,83.016
5V on PWR/SIG/GND2 "5V_L03_P184" (solid, pour order 184): 68,40.788 68,36.5 30.838,36.5 30.838,84.338 25.5,84.338 25.5,127 17,127 17,133 25.5,133 25.5,142.814 28.162,142.814 28.162,87.5 47.2,87.5 47.2,84.55 32.5,84.55 32.5,40.788
SW_IN_FILTER on PWR/SIG/GND2 "NONET_L-01_P-001" (solid, pour order 179): 61.5,53 54.199,53 54.199,70 52.097,70 52.097,77.95 39,77.95 39,80 52.097,80 52.097,101.5 54.3,101.5 54.3,72.962 61.5,72.962
5V_USB on PWR/SIG/GND2 "NONET_L-01_P-001" (solid, pour order 171): 4.5,61 4.5,57 15.5,57 15.5,24.5 73.04,24.5 73.04,12.099 77,12.099 77,15 100.5,15 100.5,20.15 92.8,20.15 92.8,18.504 77,18.504 77,38 68.5,38 68.5,28 19.5,28 19.5,61
GND on SIG "SIG_GND" (solid, pour order 218): 2.608,147.517 147.608,147.517 147.608,2.017 2.608,2.017
NetC17_1 on SIG "NETC17_1_L01_P115" (solid, pour order 115): 47.758,105.7 47.758,103.6 51.7,103.6 51.7,101.5 54.3,101.5 54.3,103.6 57.8,103.6 57.8,98.7 64.6,98.7 64.6,107 57.104,107 57.104,105.7
CCT_24V on SIG "CCT_24V_L01_P217" (solid, pour order 217): 61.778,95.838 61.841,95.9 64.5,95.9 64.5,99 67.5,99 67.5,92.5 64.733,92.5 64.733,93.6 61.778,93.6
CCT_24V on SIG "CCT_24V_L01_P196" (solid, pour order 196): 78,101 84.5,101 84.5,97.5 78,97.5
DC_BRAKE_SIG on SIG "NONET_L-01_P-001" (solid, pour order 159): 89.062,105.8 88.9,105.8 89,111.102 77.5,111.102 77.5,112.5 104,112.5 104.01,112.49 104.01,111.5 90.65,111.5 90.65,105.8
CCT_24V on SIG "CCT_24V_L01_P205" (solid, pour order 205): 34,83.5 36.5,83.5 36.5,79.65 38.6,79.65 38.6,78 34,78
NetC42_1 on SIG "NETC42_1_L01_P116" (solid, pour order 116): 49,82.5 49,79.8 36.5,79.8 36.5,82.5
3V3 on SIG "NONET_L-01_P-001" (solid, pour order 152): 91.8,107.65 91.8,109.4 97.2,109.4 97.2,107.65
NetC1_2 on SIG "NETC1_2_L01_P120" (solid, pour order 120): 36.7,71.9 36.7,64.2 42.8,64.2 42.8,67.26 38.7,67.26 38.7,71.9
NetR87_1 on SIG "NONET_L-01_P-001" (solid, pour order 158): 107.5,108 112.5,108 112.5,102.5 107.5,102.5
CCT_24V on SIG "CCT_24V_L01_P202" (solid, pour order 202): 62.5,60.2 66,60.2 66,63 69.5,63 69.5,53 66.5,53 66.5,57.997 62.5,57.997 62.5,58
NetC20_1 on SIG "NETC20_1_L01_P113" (solid, pour order 113): 55.1,94 57.5,94 57.5,96 63.1,96 63.1,98 55.1,98 55.1,97.7
SW_IN_FILTER on SIG "SW_IN_FILTER_L01_P198" (solid, pour order 198): 46.9,71.5 46.868,71.468 46.868,69.876 49.5,69.876 49.5,69.5 58,69.5 58,67.5 59.8,67.5 59.8,63.2 64.6,63.2 64.6,72.8 58.2,72.8 58.2,71.5
3V3 on SIG "NONET_L-01_P-001" (solid, pour order 189): 49.5,65.496 49.546,65.45 51.5,65.45 51.5,68.5 55.876,68.5 55.876,62 49.5,62
3V3 on SIG "NONET_L-01_P-001" (solid, pour order 187): 36.5,58.388 36.5,53.073 48.5,53.073 48.5,58 43,58 43,55.5 39,55.5 39,58.388
5V on SIG "5V_L01_P107" (solid, pour order 107): 36.3,90 36.3,84.5 47.2,84.5 47.2,86.9 39.057,86.9 39.1,86.943 39.1,90
"AC/DC IN" on SIG "AC/DC_IN_L01_P197" (solid, pour order 197): 135,24 135,20 139.5,20 139.5,24
CCT_24V on SIG "CCT_24V_L01_P195" (solid, pour order 195): 80.452,97.056 80.452,101.556 84.891,101.556 84.891,97.056 84.952,97.056
CCT_24V on SIG "CCT_24V_L01_P193" (solid, pour order 193): 106.5,77.5 111,77.5 111,73.061 106.5,73.061 106.5,73
NetC18_2 on SIG "NETC18_2_L01_P104" (solid, pour order 104): 36.45,105.4 38.2,105.4 38.2,102.95 38.15,102.9 40.2,102.9 40.2,104 41.8,104 41.8,103.6 41.6,103.6 41.6,96.1 36.504,96.1
NetC16_1 on SIG "NETC16_1_L01_P105" (solid, pour order 105): 36.6,95.1 36.6,91 51.2,91 51.2,93.75 45.9,93.75 45.9,93.3 45.6,93.3 41.9,93.3 41.9,95.1
NetC51_2 on SIG "NETC51_2_L01_P106" (solid, pour order 106): 45.6,95.7 53.9,95.7 53.9,93.9 45.6,93.9
NetC41_1 on SIG "NETC41_1_L01_P117" (solid, pour order 117): 44.8,84.2 53.1,84.2 53.1,79.9 51.3,79.9 51.3,82.75 44.8,82.75 44.8,82.8
NetC23_1 on SIG "NETC23_1_L01_P119" (solid, pour order 119): 55.1,93.4 55.1,92 58.5,92 58.5,91.2 64.3,91.2 64.3,93.367 64.344,93.411
NetC2_1 on SIG "NETC2_1_L01_P123" (solid, pour order 123): 36.5,63.5 36.5,58.4 51.6,58.4 51.6,60 42.6,60 42.6,63.5
NetC15_2 on SIG "NETC15_2_L01_P124" (solid, pour order 124): 46,61.9 46,60.2 54.3,60.2 54.3,61.9
NetC13_1 on SIG "NETC13_1_L01_P130" (solid, pour order 130): 56.1,58.65 58.7,58.65 58.7,60.9 64,60.9 64,62.8 56.1,62.8
NetC14_1 on SIG "NETC14_1_L01_P131" (solid, pour order 131): 56.1,58.2 56.1,55.5 65,55.5 65,57.3 59.1,57.3 59.1,58.2
NetC39_1 on SIG "NETC39_1_L01_P133" (solid, pour order 133): 45.3,50.2 59.4,50.2 59.4,53.2 45.3,53.2
NetC62_1 on SIG "NONET_L-01_P-001" (solid, pour order 151): 94.8,111.15 94.8,109.4 94.9,109.5 104,109.5 104,111.172 104.01,111.182
NetL1_1 on SIG "NONET_L-01_P-001" (solid, pour order 166): 89.831,18.488 89.831,16.738 95.209,16.738 95.209,18.512
5V_USB on SIG "NONET_L-01_P-001" (solid, pour order 173): 92.806,20.986 92.806,18.752 101.487,18.752 101.487,21.015
NetC40_1 on SIG "NONET_L-01_P-001" (solid, pour order 174): 60,48.9 60,55.5 63,55.5 63,52.712 69.5,52.712 69.5,48.9
NetC8_1 on SIG "NONET_L-01_P-001" (solid, pour order 188): 82.19,48.429 91,48.429 91,45 95,45 95,42 91.031,42 91.031,20.238 92.5,20.238 92.5,18.5 90,18.5 90,46.9 87.6,46.9 87.6,47.9 82.19,47.9
SW_IN_FILTER on SIG "NONET_L-01_P-001" (solid, pour order 190): 59.406,53.36 59.406,53.421 54,53.421 54,57 55.985,57 55.985,55.363 59.416,55.363
GND on GND3 "NONET_L-01_P-001" (solid, pour order 58): 2.5,147.5 147.5,147.5 147.5,2 2.5,2
GND on GND1 "NONET_L-01_P-001" (solid, pour order 161): 2.608,147.517 147.608,147.517 147.608,2.017 2.608,2.017

## Keep-outs
Keep-Out Layer:
  the board outline again, w0.5

## Silkscreen, mask and mechanical layers (free items; w line width, h text height)
Top Overlay:
  text "5V HEADER" at 22.64,133.86 h0.8 r270
  text "LIMIT SWITCHES" at 73.531,127.846 h0.8
  text "5V LED" at 19.14,124.86 h0.8 r270
  text "BRK LED" at 147.36,123.14 h0.8 r90
  text "GREEN LED" at 9.64,119.36 h0.8 r270
  text "SPARE PINS" at 4.64,106.86 h0.8 r270
  text "ROT LED" at 147.36,105.64 h0.8 r90
  text "AZIMUTH STEPPER" at 127.047,90.447 h0.8 r90
  text "PROGRAMMING HEADER" at 18.64,87.86 h0.8 r270
  text "RED LED" at 12.14,71.36 h0.8 r270
  text "USB/UART CABLE HEADER" at 18.64,66.86 h0.8 r270
  text "ELEVATION STEPPER" at 126.845,65.701 h0.8 r90
  text "ELEV LED" at 147.36,52.64 h0.8 r90
  text "I2C HEADER" at 18.64,43.86 h0.8 r270
  text "24V HEADER" at 126.86,43.14 h0.8 r90
  text "3V3 LED" at 15.64,31.86 h0.8 r270
  text "3V3 HEADER" at 22.64,24.86 h0.8 r270
  text "USB" at 77.64,22.64 h0.8
  text "VNA SIGNAL" at 34.64,21.64 h0.8
  text "24V INPUT" at 118.64,19.64 h0.8
  text "TX LED" at 53.64,13.64 h0.8
  text "RX LED" at 61.14,13.64 h0.8
  text "AC/DC LED" at 104.64,13.64 h0.8
Bottom Overlay:
  drawing of 23 lines, arcs and shapes, not listed
  text "Ro-Beast Control Board / VM, IG, VD, BL / Version 1 / Feb. 2024" at 79,14.5 h4

## Text inside footprints (layer, text, board x,y; h text height)
J16: Top Overlay "5V" at 25.65,138.85 h0.75; Top Overlay "3V3" at 19.95,138.95 h0.75